# EAGLE board ControlModule-pan2 (EAGLE 7.2.0), part 4 of 9
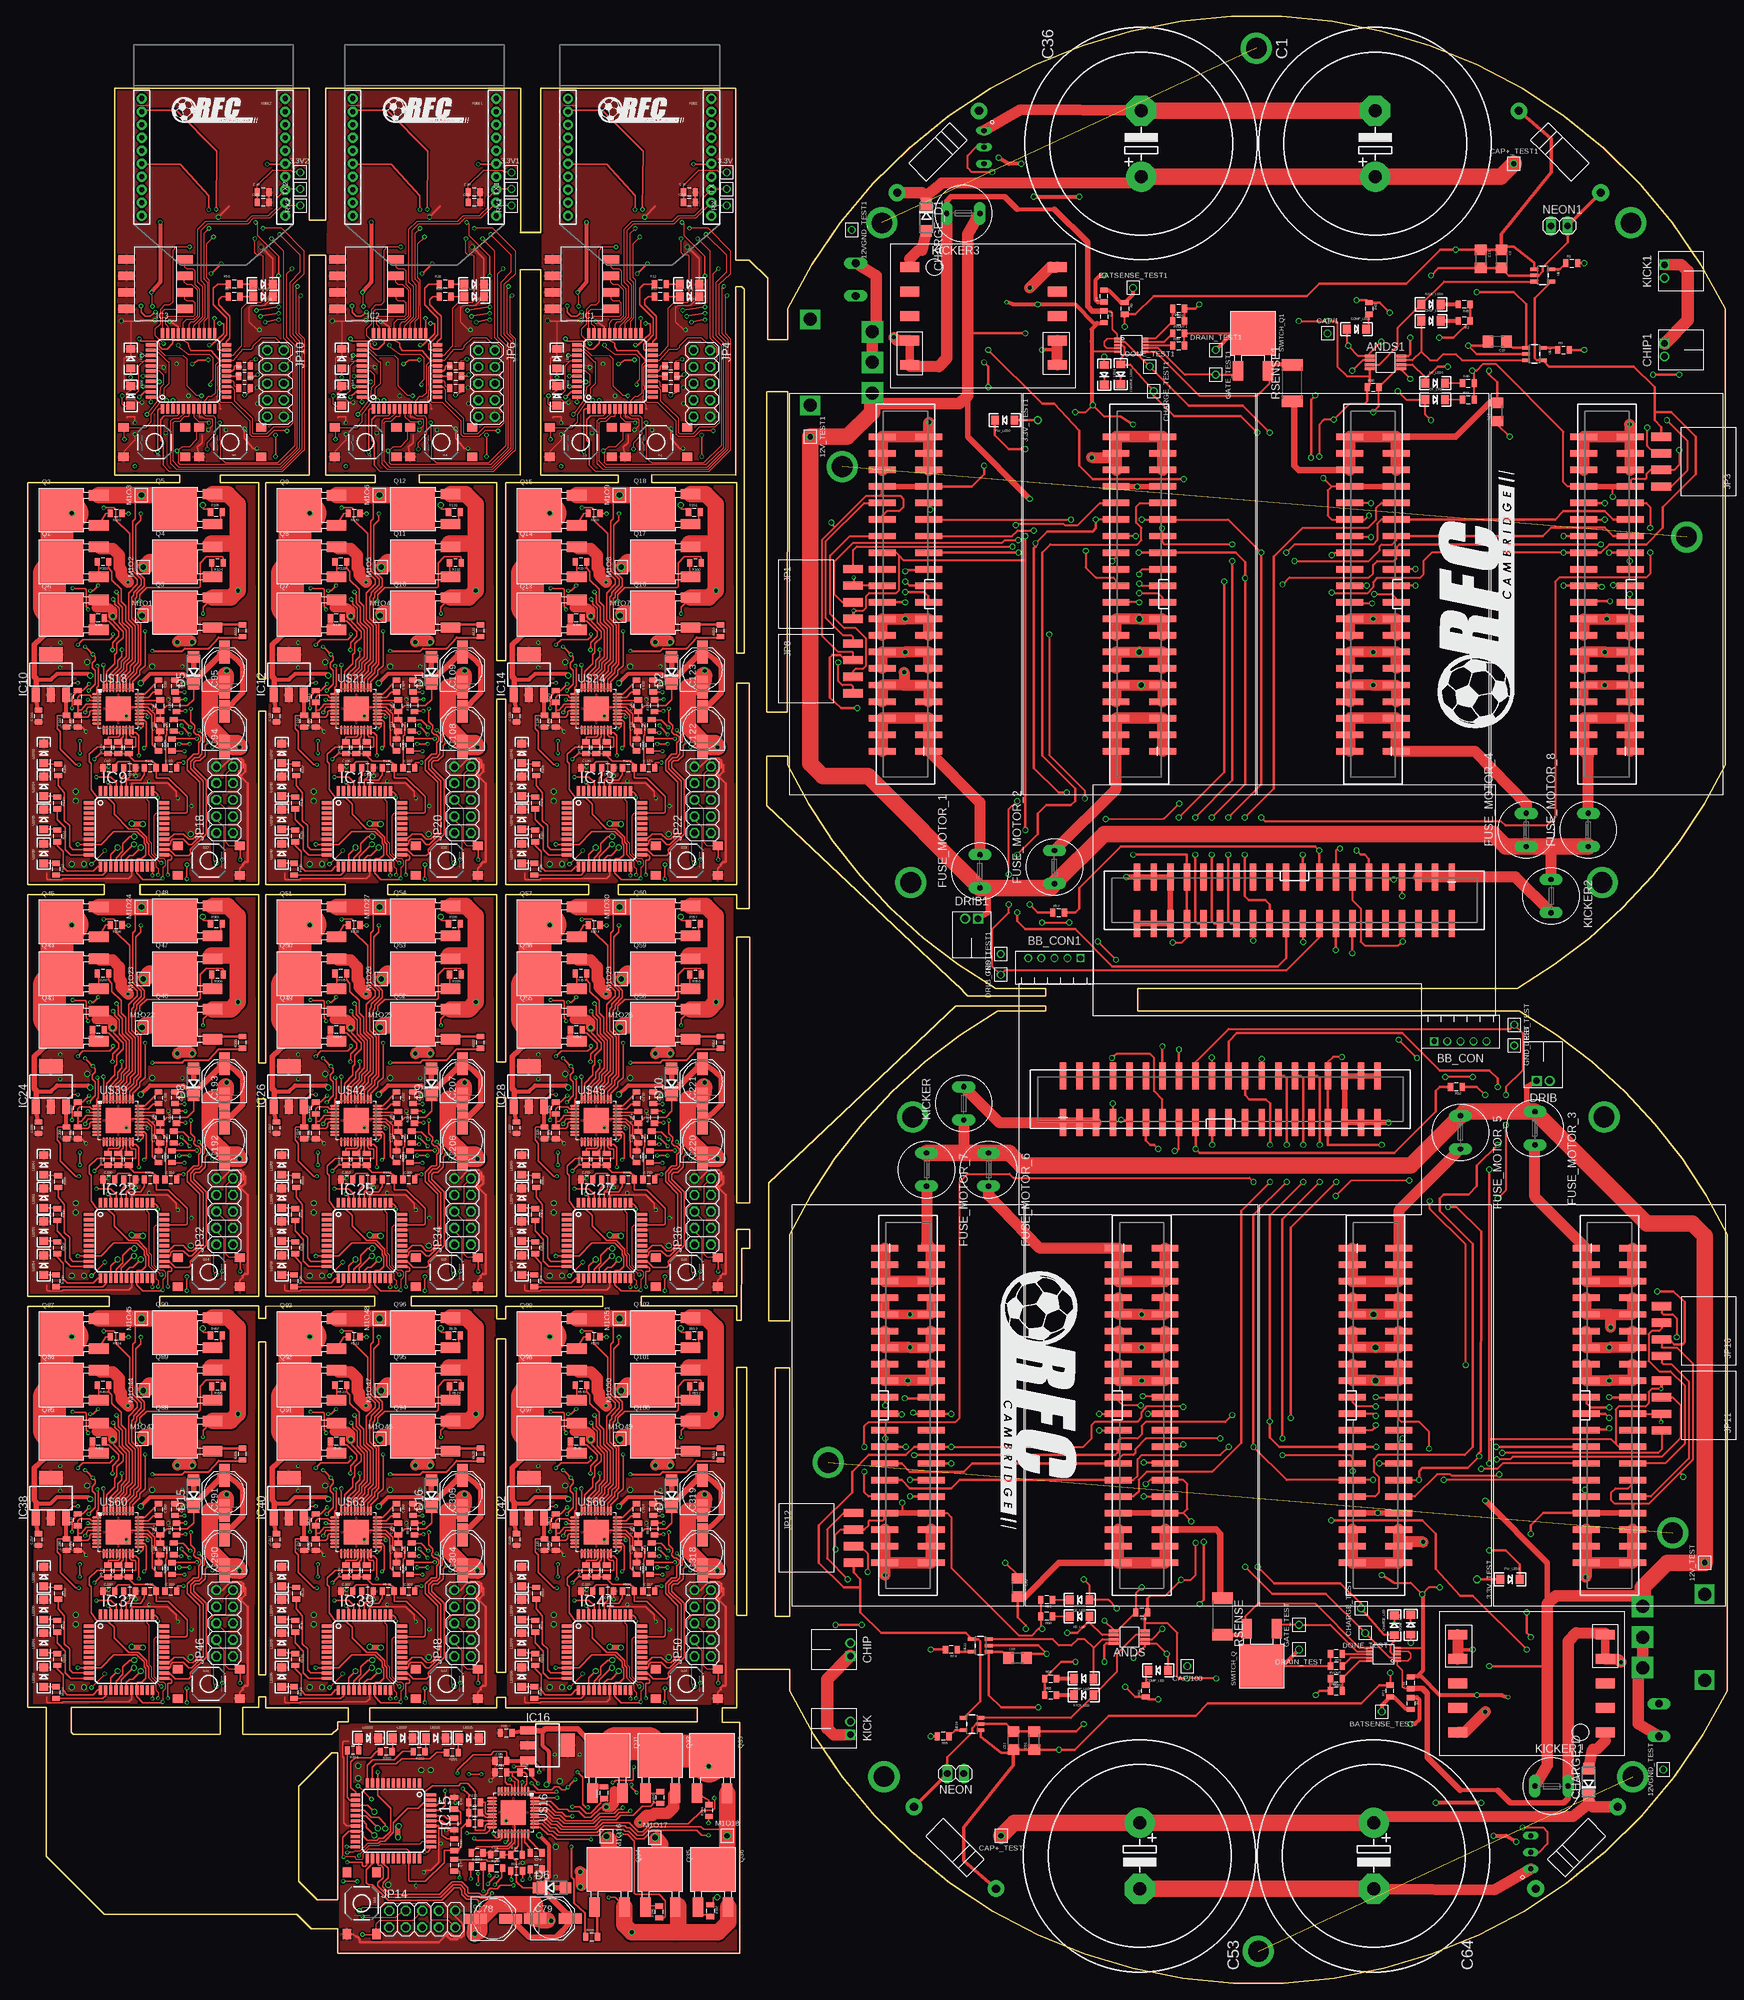
[diagram p0: board, top side]
## Tracks (layer width: path | path; a pad name or v marks a point on that pad's centre or on a via) (continued)
12VGND15  (via drill 0.3, 0.41, 0.6) (continued)
  Bottom 0.813: JP31.38 JP31.40 11.64,112.32 11.64,112.24 12.13,112.24 13.07,112.24 | v25.45,138.27 30.05,138.27 30.1,138.23 v30.5,138.23 | 20.21,112.08 20.37,112.24 JP31.39 20.89,111.64 20.89,111.17 | 13.2,115.52 13.15,115.52 JP31.38 | 13.2,113.06 13.29,113.06 13.29,112.32 | 20.21,114.7 v17.67,114.7 v17.66,114.7 | v15.94,114.81 13.26,114.67 JP31.38
  Bottom 2.54: 13.19,116.5 13.2,116.5 13.2,115.52 | 13.07,114.78 JP31.38 13.2,114.78 13.2,113.06 | 20.32,111.45 19.45,110.3 18.52,109.15 12.65,109.15 11.8,110 v11.8,110.65 11.8,111.91 12.13,112.24 | 18.87,117.26 18.15,117.26 17.7,117.26 | 18.15,117.32 JP31.36 | 20.89,111.17 20.91,111.16 32.38,111.16 33.69,112.44 33.69,125.28 v32.48,126.49 | v30.5,138.23 31.64,138.1 32.03,138.1 32.36,138.44 32.36,141.42 31.77,142.01 R320.1
12VGND16  (via drill 0.3, 0.41, 0.6)
  Top 0.178: v46.3,108.56 48.31,110.58 v48.31,110.65
  Top 0.254: C206.- 66.69,126.56 v64.82,126.53 | v60.37,124.15 59.42,124.15 59.42,123.4 C205.2
  Top 0.813: C206.- 67.81,126.5 67.99,126.53 68.63,127.16 | 66.41,135.58 C207.- | D9.A 61.93,138.3 v61.96,138.27 | v54.17,114.7 52.59,114.7 v52.46,114.81 | 66.91,137.59 67.01,137.69 v67.01,138.23 66.97,138.27 66.56,138.27
  Top 2.54: 67.99,126.53 68.1,126.53 v68.99,126.49 | 68.63,127.16 66.93,127.16 64.45,129.65 64.45,135.71 C207.- 66.66,136.6 66.88,136.83 66.88,137.47 66.91,137.5 66.91,137.53 66.91,137.54 66.91,137.59
  Bottom 0.152: 54.66,117.32 54.66,117.26 54.67,117.26
  Bottom 0.178: U$43.1 43.6,109.47 45.77,109.47 46.3,108.94 v46.3,108.56
  Bottom 0.254: v64.82,126.53 64.82,125.42 63.87,124.46 61.48,124.46 61.17,124.15 v60.37,124.15 | JP33.37 56.72,114.7 | JP33.39 56.8,111.48 56.83,111.45 | JP33.35 55.45,117.32 55.38,117.26
  Bottom 0.406: JP33.36 49.7,117.32 49.7,116.5
  Bottom 0.813: JP33.38 JP33.40 48.15,112.32 48.15,112.24 48.65,112.24 49.58,112.24 | v61.96,138.27 66.56,138.27 66.61,138.23 v67.01,138.23 | 56.72,112.08 56.88,112.24 JP33.39 57.4,111.64 57.4,111.17 | 49.71,115.52 49.66,115.52 JP33.38 | 49.71,113.06 49.8,113.06 49.8,112.32 | 56.72,114.7 v54.18,114.7 v54.17,114.7 | v52.46,114.81 49.77,114.67 JP33.38
  Bottom 2.54: 49.7,116.5 49.71,116.5 49.71,115.52 | 49.58,114.78 JP33.38 49.71,114.78 49.71,113.06 | 56.83,111.45 55.96,110.3 55.03,109.15 49.16,109.15 48.31,110 v48.31,110.65 48.31,111.91 48.65,112.24 | 55.38,117.26 54.67,117.26 54.21,117.26 | 54.66,117.32 JP33.36 | 57.4,111.17 57.43,111.16 68.9,111.16 70.2,112.44 70.2,125.28 v68.99,126.49 | v67.01,138.23 68.16,138.1 68.54,138.1 68.87,138.44 68.87,141.42 68.28,142.01 R348.1
12VGND17  (via drill 0.3, 0.41, 0.6)
  Top 0.178: v83.13,108.56 85.14,110.58 v85.14,110.65
  Top 0.254: C220.- 103.52,126.56 v101.65,126.53 | v97.2,124.15 96.25,124.15 96.25,123.4 C219.2
  Top 0.813: C220.- 104.64,126.5 104.82,126.53 105.46,127.16 | 103.24,135.58 C221.- | D10.A 98.76,138.3 v98.79,138.27 | v91,114.7 89.42,114.7 v89.29,114.81 | 103.74,137.59 103.84,137.69 v103.84,138.23 103.8,138.27 103.39,138.27
  Top 2.54: 104.82,126.53 104.93,126.53 v105.82,126.49 | 105.46,127.16 103.76,127.16 101.28,129.65 101.28,135.71 C221.- 103.49,136.6 103.71,136.83 103.71,137.47 103.74,137.5 103.74,137.53 103.74,137.54 103.74,137.59
  Bottom 0.152: 91.49,117.32 91.49,117.26 91.5,117.26
  Bottom 0.178: U$46.1 80.43,109.47 82.6,109.47 83.13,108.94 v83.13,108.56
  Bottom 0.254: v101.65,126.53 101.65,125.42 100.7,124.46 98.31,124.46 98,124.15 v97.2,124.15 | JP35.37 93.55,114.7 | JP35.39 93.63,111.48 93.66,111.45 | JP35.35 92.28,117.32 92.21,117.26
  Bottom 0.406: JP35.36 86.53,117.32 86.53,116.5
  Bottom 0.813: JP35.38 JP35.40 84.98,112.32 84.98,112.24 85.48,112.24 86.41,112.24 | v98.79,138.27 103.39,138.27 103.44,138.23 v103.84,138.23 | 93.55,112.08 93.71,112.24 JP35.39 94.23,111.64 94.23,111.17 | 86.54,115.52 86.49,115.52 JP35.38 | 86.54,113.06 86.63,113.06 86.63,112.32 | 93.55,114.7 v91.01,114.7 v91,114.7 | v89.29,114.81 86.6,114.67 JP35.38
  Bottom 2.54: 86.53,116.5 86.54,116.5 86.54,115.52 | 86.41,114.78 JP35.38 86.54,114.78 86.54,113.06 | 93.66,111.45 92.79,110.3 91.86,109.15 85.99,109.15 85.14,110 v85.14,110.65 85.14,111.91 85.48,112.24 | 92.21,117.26 91.5,117.26 91.04,117.26 | 91.49,117.32 JP35.36 | 94.23,111.17 94.26,111.16 105.73,111.16 107.03,112.44 107.03,125.28 v105.82,126.49 | v103.84,138.23 104.99,138.1 105.37,138.1 105.7,138.44 105.7,141.42 105.11,142.01 R376.1
12VGND22  (via drill 0.3, 0.41, 0.6)
  Top 0.178: v9.78,45.38 11.8,47.4 v11.8,47.47
  Top 0.254: C290.- 30.18,63.37 v28.31,63.34 | v23.86,60.96 22.91,60.96 22.91,60.22 C289.2
  Top 0.813: C290.- 31.29,63.32 31.48,63.34 32.12,63.98 | 29.89,72.39 C291.- | D15.A 25.42,75.12 v25.45,75.09 | v17.66,51.51 16.08,51.51 v15.94,51.63 | 30.4,74.41 30.5,74.51 v30.5,75.05 30.46,75.09 30.05,75.09
  Top 2.54: 31.48,63.34 31.59,63.34 v32.48,63.31 | 32.12,63.98 30.42,63.98 27.94,66.47 27.94,72.52 C291.- 30.14,73.42 30.37,73.64 30.37,74.29 30.4,74.32 30.4,74.35 30.4,74.36 30.4,74.41
  Bottom 0.152: 18.15,54.14 18.15,54.08 18.15,54.07
  Bottom 0.178: U$61.1 7.08,46.28 9.26,46.28 9.78,45.76 v9.78,45.38
  Bottom 0.254: v28.31,63.34 28.31,62.23 27.35,61.28 24.97,61.28 24.65,60.96 v23.86,60.96 | JP45.37 20.21,51.52 | JP45.39 20.29,48.3 20.32,48.27 | JP45.35 18.94,54.14 18.87,54.07
  Bottom 0.406: JP45.36 13.19,54.14 13.19,53.32
  Bottom 0.813: JP45.38 JP45.40 11.64,49.14 11.64,49.06 12.13,49.06 13.07,49.06 | v25.45,75.09 30.05,75.09 30.1,75.05 v30.5,75.05 | 20.21,48.9 20.37,49.06 JP45.39 20.89,48.46 20.89,47.98 | 13.2,52.34 13.15,52.34 JP45.38 | 13.2,49.88 13.29,49.88 13.29,49.13 | 20.21,51.52 v17.67,51.52 v17.66,51.51 | v15.94,51.63 13.26,51.49 JP45.38
  Bottom 2.54: 13.19,53.32 13.2,53.32 13.2,52.34 | 13.07,51.6 JP45.38 13.2,51.6 13.2,49.88 | 20.32,48.27 19.45,47.12 18.52,45.97 12.65,45.97 11.8,46.82 v11.8,47.47 11.8,48.73 12.13,49.06 | 18.87,54.07 18.15,54.07 17.7,54.07 | 18.15,54.14 JP45.36 | 20.89,47.98 20.91,47.97 32.38,47.97 33.69,49.26 33.69,62.1 v32.48,63.31 | v30.5,75.05 31.64,74.92 32.03,74.92 32.36,75.25 32.36,78.24 31.77,78.83 R516.1
12VGND23  (via drill 0.3, 0.41, 0.6)
  Top 0.178: v46.3,45.38 48.31,47.4 v48.31,47.47
  Top 0.254: C304.- 66.69,63.37 v64.82,63.34 | v60.37,60.96 59.42,60.96 59.42,60.22 C303.2
  Top 0.813: C304.- 67.81,63.32 67.99,63.34 68.63,63.98 | 66.41,72.39 C305.- | D16.A 61.93,75.12 v61.96,75.09 | v54.17,51.51 52.59,51.51 v52.46,51.63 | 66.91,74.41 67.01,74.51 v67.01,75.05 66.97,75.09 66.56,75.09
  Top 2.54: 67.99,63.34 68.1,63.34 v68.99,63.31 | 68.63,63.98 66.93,63.98 64.45,66.47 64.45,72.52 C305.- 66.66,73.42 66.88,73.64 66.88,74.29 66.91,74.32 66.91,74.35 66.91,74.36 66.91,74.41
  Bottom 0.152: 54.66,54.14 54.66,54.08 54.67,54.07
  Bottom 0.178: U$64.1 43.6,46.28 45.77,46.28 46.3,45.76 v46.3,45.38
  Bottom 0.254: v64.82,63.34 64.82,62.23 63.87,61.28 61.48,61.28 61.17,60.96 v60.37,60.96 | JP47.37 56.72,51.52 | JP47.39 56.8,48.3 56.83,48.27 | JP47.35 55.45,54.14 55.38,54.07
  Bottom 0.406: JP47.36 49.7,54.14 49.7,53.32
  Bottom 0.813: JP47.38 JP47.40 48.15,49.14 48.15,49.06 48.65,49.06 49.58,49.06 | v61.96,75.09 66.56,75.09 66.61,75.05 v67.01,75.05 | 56.72,48.9 56.88,49.06 JP47.39 57.4,48.46 57.4,47.98 | 49.71,52.34 49.66,52.34 JP47.38 | 49.71,49.88 49.8,49.88 49.8,49.13 | 56.72,51.52 v54.18,51.52 v54.17,51.51 | v52.46,51.63 49.77,51.49 JP47.38
  Bottom 2.54: 49.7,53.32 49.71,53.32 49.71,52.34 | 49.58,51.6 JP47.38 49.71,51.6 49.71,49.88 | 56.83,48.27 55.96,47.12 55.03,45.97 49.16,45.97 48.31,46.82 v48.31,47.47 48.31,48.73 48.65,49.06 | 55.38,54.07 54.67,54.07 54.21,54.07 | 54.66,54.14 JP47.36 | 57.4,47.98 57.43,47.97 68.9,47.97 70.2,49.26 70.2,62.1 v68.99,63.31 | v67.01,75.05 68.16,74.92 68.54,74.92 68.87,75.25 68.87,78.24 68.28,78.83 R544.1
12VGND24  (via drill 0.3, 0.41, 0.6)
  Top 0.178: v83.13,45.38 85.14,47.4 v85.14,47.47
  Top 0.254: C318.- 103.52,63.37 v101.65,63.34 | v97.2,60.96 96.25,60.96 96.25,60.22 C317.2
  Top 0.813: C318.- 104.64,63.32 104.82,63.34 105.46,63.98 | 103.24,72.39 C319.- | D17.A 98.76,75.12 v98.79,75.09 | v91,51.51 89.42,51.51 v89.29,51.63 | 103.74,74.41 103.84,74.51 v103.84,75.05 103.8,75.09 103.39,75.09
  Top 2.54: 104.82,63.34 104.93,63.34 v105.82,63.31 | 105.46,63.98 103.76,63.98 101.28,66.47 101.28,72.52 C319.- 103.49,73.42 103.71,73.64 103.71,74.29 103.74,74.32 103.74,74.35 103.74,74.36 103.74,74.41
  Bottom 0.152: 91.49,54.14 91.49,54.08 91.5,54.07
  Bottom 0.178: U$67.1 80.43,46.28 82.6,46.28 83.13,45.76 v83.13,45.38
  Bottom 0.254: v101.65,63.34 101.65,62.23 100.7,61.28 98.31,61.28 98,60.96 v97.2,60.96 | JP49.37 93.55,51.52 | JP49.39 93.63,48.3 93.66,48.27 | JP49.35 92.28,54.14 92.21,54.07
  Bottom 0.406: JP49.36 86.53,54.14 86.53,53.32
  Bottom 0.813: JP49.38 JP49.40 84.98,49.14 84.98,49.06 85.48,49.06 86.41,49.06 | v98.79,75.09 103.39,75.09 103.44,75.05 v103.84,75.05 | 93.55,48.9 93.71,49.06 JP49.39 94.23,48.46 94.23,47.98 | 86.54,52.34 86.49,52.34 JP49.38 | 86.54,49.88 86.63,49.88 86.63,49.13 | 93.55,51.52 v91.01,51.52 v91,51.51 | v89.29,51.63 86.6,51.49 JP49.38
  Bottom 2.54: 86.53,53.32 86.54,53.32 86.54,52.34 | 86.41,51.6 JP49.38 86.54,51.6 86.54,49.88 | 93.66,48.27 92.79,47.12 91.86,45.97 85.99,45.97 85.14,46.82 v85.14,47.47 85.14,48.73 85.48,49.06 | 92.21,54.07 91.5,54.07 91.04,54.07 | 91.49,54.14 JP49.36 | 94.23,47.98 94.26,47.97 105.73,47.97 107.03,49.26 107.03,62.1 v105.82,63.31 | v103.84,75.05 104.99,74.92 105.37,74.92 105.7,75.25 105.7,78.24 105.11,78.83 R572.1
AND_CHIP
  Top 0.305: CHIP_LED.A 163.52,51.43 | 163.52,51.43 164.87,52.78 ANDS.P$3 | 163.52,51.43 162.16,52.79 161.06,52.79 160.11,51.84 158.21,51.84 157.26,52.79 U$32.3
AND_CHIP1
  Top 0.305: CHIP_LED1.A 213.79,250.43 | 213.79,250.43 212.44,249.08 ANDS1.P$3 | 213.79,250.43 215.15,249.07 216.25,249.07 217.2,250.02 219.1,250.02 220.05,249.07 U$1.3
AND_KICK
  Top 0.305: ANDS.P$7 169.96,53.43 167.1,50.57 167.1,47.8 KICK_LED.A 160.02,40.72 U$34.3
AND_KICK1
  Top 0.305: ANDS1.P$7 207.35,248.43 210.21,251.29 210.21,254.06 KICK_LED1.A 217.29,261.14 U$7.3
AVCC  (via drill 0.41 pad 0.25)
  Top 0.152: 83.8,240.91 85.31,242.89 85.71,243.93 85.79,244.96 86.26,245.43 86.26,246.78 85.63,247.42 IC1.39
  Top 0.254: v83.68,240.75 83.8,240.91
  Bottom 0.254: R5.1 C18.2 82.72,240.7 v83.68,240.75
AVCC1  (via drill 0.41 pad 0.25)
  Top 0.152: 50.78,240.91 52.29,242.89 52.69,243.93 52.77,244.96 53.24,245.43 53.24,246.78 52.61,247.42 IC2.39
  Top 0.254: v50.66,240.75 50.78,240.91
  Bottom 0.254: R25.1 C29.2 49.7,240.7 v50.66,240.75
AVCC2  (via drill 0.41 pad 0.25)
  Top 0.152: 18.4,240.91 19.9,242.89 20.3,243.93 20.38,244.96 20.86,245.43 20.86,246.78 20.22,247.42 IC3.39
  Top 0.254: v18.28,240.75 18.4,240.91
  Bottom 0.254: R53.1 C46.2 17.31,240.7 v18.28,240.75
AVCC6
  Top 0.254: R200.1 64.39,22.18 63.54,22.7 63.54,24.93 | 63.54,24.93 IC15.39 | C76.2 65.87,26.73 66.4,26.2 66.4,24.45 64.02,24.45 63.54,24.93
AVCC8
  Top 0.254: R108.1 17.88,185.48 17.35,184.63 15.13,184.63 | 15.13,184.63 IC9.39 | C92.2 13.33,186.96 13.86,187.49 15.61,187.49 15.61,185.11 15.13,184.63
AVCC9
  Top 0.254: R136.1 54.39,185.48 53.86,184.63 51.64,184.63 | 51.64,184.63 IC11.39 | C106.2 49.84,186.96 50.37,187.49 52.12,187.49 52.12,185.11 51.64,184.63
AVCC10
  Top 0.254: R164.1 91.22,185.48 90.69,184.63 88.47,184.63 | 88.47,184.63 IC13.39 | C120.2 86.67,186.96 87.2,187.49 88.95,187.49 88.95,185.11 88.47,184.63
AVCC15
  Top 0.254: R304.1 17.88,122.29 17.35,121.45 15.13,121.45 | 15.13,121.45 IC23.39 | C190.2 13.33,123.78 13.86,124.3 15.61,124.3 15.61,121.92 15.13,121.45
AVCC16
  Top 0.254: R332.1 54.39,122.29 53.86,121.45 51.64,121.45 | 51.64,121.45 IC25.39 | C204.2 49.84,123.78 50.37,124.3 52.12,124.3 52.12,121.92 51.64,121.45
AVCC17
  Top 0.254: R360.1 91.22,122.29 90.69,121.45 88.47,121.45 | 88.47,121.45 IC27.39 | C218.2 86.67,123.78 87.2,124.3 88.95,124.3 88.95,121.92 88.47,121.45
AVCC22
  Top 0.254: R500.1 17.88,59.11 17.35,58.26 15.13,58.26 | 15.13,58.26 IC37.39 | C288.2 13.33,60.59 13.86,61.12 15.61,61.12 15.61,58.74 15.13,58.26
AVCC23
  Top 0.254: R528.1 54.39,59.11 53.86,58.26 51.64,58.26 | 51.64,58.26 IC39.39 | C302.2 49.84,60.59 50.37,61.12 52.12,61.12 52.12,58.74 51.64,58.26
AVCC24
  Top 0.254: R556.1 91.22,59.11 90.69,58.26 88.47,58.26 | 88.47,58.26 IC41.39 | C316.2 86.67,60.59 87.2,61.12 88.95,61.12 88.95,58.74 88.47,58.26
BAT+
  Top 1.778: BATT.1 247.11,39.81 | 247.11,39.81 247.11,39.77 | 247.11,39.81 247.11,49.04 ON/OFF.IN1 ON/OFF.COM
BAT+1
  Top 1.778: BATT1.1 130.2,262.05 | 130.2,262.05 130.2,262.09 | 130.2,262.05 130.2,252.82 ON/OFF1.IN1 ON/OFF1.COM
BATSENSE
  Top 0.305: 168.25,257.96 R6.1
  Top 0.61: R6.1 169.57,259.18 BATSENSE_TEST1.P$1 | R7.2 165.82,259.81 167.67,257.96 168.25,257.96
  Bottom 0.61: BATSENSE_TEST1.P$1 170.21,260.82 BATCLAMP1.C
BATSENSE1  (via drill 0.41 pad 0.25)
  Top 0.254: v85.63,245.77 85.63,245.82 IC1.41
  Bottom 0.254: R24.2 87.16,245.75 | R23.1 87.16,245.75 | 87.16,245.75 v85.63,245.77
BATSENSE2  (via drill 0.41 pad 0.25)
  Top 0.254: v52.61,245.77 52.61,245.82 IC2.41
  Bottom 0.254: R36.2 54.14,245.75 | R35.1 54.14,245.75 | 54.14,245.75 v52.61,245.77
BATSENSE3  (via drill 0.41 pad 0.25)
  Top 0.254: v20.22,245.77 20.22,245.82 IC3.41
  Bottom 0.254: R64.2 21.76,245.75 | R63.1 21.76,245.75 | 21.76,245.75 v20.22,245.77
BATSENSE4
  Top 0.305: 209.06,43.9 R71.1
  Top 0.61: R71.1 207.74,42.68 BATSENSE_TEST.P$1 | R72.2 211.49,42.05 209.64,43.9 209.06,43.9
  Bottom 0.61: BATSENSE_TEST.P$1 207.1,41.04 BATCLAMP2.C
BB_IN  (via drill 0.6)
  Top 0.305: v210.85,166.84 COM_BOARD1.7
  Bottom 0.305: BB_CON1.2 159.51,156.58 160.05,156.04 162.59,156.04 164.49,157.95 199.42,157.95 200.05,157.31 202.59,157.31 203.23,156.68 210.21,156.68 212.75,159.22 212.75,159.85 210.85,161.76 v210.85,166.84
BB_IN1  (via drill 0.41 pad 0.25)
  Top 0.254: IC1.40 v83.09,246.62
  Bottom 0.178: 83.4,247.58 83.4,249.12 84.3,250.01 84.3,253.66 83.44,254.52 83.44,260.48 83.52,260.55
  Bottom 0.254: v83.09,246.62 83.09,247.26 83.4,247.58 | 83.52,260.55 84.36,261.39 87.21,261.39 87.69,261.86 87.69,268.85 87.09,269.45 87.09,275.71 88.17,276.79 97.37,276.79 97.53,276.95 97.53,277.82 JP2.7
BB_IN2  (via drill 0.41 pad 0.25)
  Top 0.254: IC2.40 v50.07,246.62
  Bottom 0.178: 50.38,247.58 50.38,249.12 51.28,250.01 51.28,253.66 50.42,254.52 50.42,260.48 50.5,260.55
  Bottom 0.254: v50.07,246.62 50.07,247.26 50.38,247.58 | 50.5,260.55 51.34,261.39 54.19,261.39 54.67,261.86 54.67,268.85 54.07,269.45 54.07,275.71 55.15,276.79 64.35,276.79 64.51,276.95 64.51,277.82 JP5.7
BB_IN3  (via drill 0.41 pad 0.25)
  Top 0.254: IC3.40 v17.69,246.62 v17.68,246.62
  Bottom 0.178: 18,247.58 18,249.12 18.9,250.01 18.9,253.66 18.04,254.52 18.04,260.48 18.12,260.55
  Bottom 0.254: v17.68,246.62 17.68,247.26 18,247.58 | 18.12,260.55 18.95,261.39 21.81,261.39 22.29,261.86 22.29,268.85 21.68,269.45 21.68,275.71 22.76,276.79 31.97,276.79 32.13,276.95 32.13,277.82 JP9.7
BB_IN4  (via drill 0.6)
  Top 0.305: v166.46,135.02 COM_BOARD.7
  Bottom 0.305: BB_CON.2 217.8,145.28 217.26,145.82 214.72,145.82 212.82,143.91 177.89,143.91 177.26,144.55 174.72,144.55 174.08,145.18 167.1,145.18 164.56,142.64 164.56,142.01 166.46,140.1 v166.46,135.02
BB_OUT  (via drill 0.6)
  Top 0.305: v155.6,162.79 v159.81,162.79 | v164.18,159.85 v166.95,157.07 | v209.58,169.38 208.7,169.38 COM_BOARD1.9
  Bottom 0.305: R8.1 v155.6,162.79 | v159.81,162.79 161.24,162.79 v164.18,159.85 | v166.95,157.07 199.02,157.07 199.42,156.68 201.96,156.68 202.59,156.04 210.85,156.04 213.39,158.58 213.39,160.49 212.12,161.76 212.12,168.11 210.85,169.38 v209.58,169.38
BB_OUT1  (via drill 0.41 pad 0.25)
  Top 0.178: IC1.4 88.47,240.74 88.22,240.49 86.29,240.49 | 107.36,234.87 104.51,232.04 87.05,232.04 86.15,232.94 86.15,232.98 | 107.36,234.87 107.69,235.19 | 107.06,258.85 107.06,253.13 107.8,252.4 107.8,235.3 107.36,234.87
  Top 0.254: 107.06,258.85 v107.29,258.99 | 86.15,232.98 86.15,236.44 85.79,236.8 85.79,239.99 86.29,240.49
  Bottom 0.254: v107.29,258.99 107.53,259.32 107.53,266.94 103.72,270.75 103.72,279.96 103.41,280.28 101.66,280.28 100.71,279.33 100.71,276.31 99.76,275.36 JP2.9
BB_OUT2  (via drill 0.41 pad 0.25)
  Top 0.178: IC2.4 55.45,240.74 55.2,240.49 53.27,240.49 | 74.34,234.87 71.49,232.04 54.03,232.04 53.13,232.94 53.13,232.98 | 74.34,234.87 74.67,235.19 | 74.04,258.85 74.04,253.13 74.78,252.4 74.78,235.3 74.34,234.87
  Top 0.254: 74.04,258.85 v74.27,258.99 | 53.13,232.98 53.13,236.44 52.77,236.8 52.77,239.99 53.27,240.49
  Bottom 0.254: v74.27,258.99 74.51,259.32 74.51,266.94 70.7,270.75 70.7,279.96 70.39,280.28 68.64,280.28 67.69,279.33 67.69,276.31 66.74,275.36 JP5.9
BB_OUT3  (via drill 0.41 pad 0.25)
  Top 0.178: IC3.4 23.07,240.74 22.82,240.49 20.88,240.49 | 41.96,234.87 39.11,232.04 21.65,232.04 20.75,232.94 20.75,232.98 | 41.96,234.87 42.29,235.19 | 41.65,258.85 41.65,253.13 42.39,252.4 42.39,235.3 41.96,234.87
  Top 0.254: 41.65,258.85 v41.88,258.99 | 20.75,232.98 20.75,236.44 20.38,236.8 20.38,239.99 20.88,240.49
  Bottom 0.254: v41.88,258.99 42.13,259.32 42.13,266.94 38.32,270.75 38.32,279.96 38,280.28 36.26,280.28 35.3,279.33 35.3,276.31 34.35,275.36 JP9.9
BB_OUT4  (via drill 0.6)
  Top 0.305: v221.71,139.07 v217.5,139.07 | v213.13,142.01 v210.36,144.79 | v167.73,132.48 168.61,132.48 COM_BOARD.9
  Bottom 0.305: R73.1 v221.71,139.07 | v217.5,139.07 216.07,139.07 v213.13,142.01 | v210.36,144.79 178.29,144.79 177.89,145.18 175.35,145.18 174.72,145.82 166.46,145.82 163.92,143.28 163.92,141.37 165.19,140.1 165.19,133.75 166.46,132.48 v167.73,132.48
BID0
  Top 0.178: U$3.1 89.44,263.45 89.75,263.13 90.71,263.13 91.02,262.82 91.02,260.76 91.73,260.06 91.73,255.74 90.87,254.88 90.39,254.88 90.07,254.56 IC1.28
BID1
  Top 0.178: IC1.29 89.27,254.87 89.75,255.36 90.87,255.36 91.37,255.86 91.37,259.88 90.5,260.75 89.75,260.75 89.44,261.07 U$3.2
BID2
  Top 0.178: U$3.3 89.44,258.53 89.75,258.21 90.71,258.21 90.98,257.94 90.98,255.95 90.85,255.82 86.88,255.82 86.46,255.4 86.46,254.72 86.9,254.29 86.9,253.24
  Top 0.254: 86.9,253.24 IC1.32
BID3
  Top 0.178: IC1.33 86.07,256.59 86.42,256.94 U$3.4
BID4
  Top 0.178: U$5.1 56.42,263.45 56.73,263.13 57.69,263.13 58,262.82 58,260.76 58.71,260.06 58.71,255.74 57.85,254.88 57.37,254.88 57.05,254.56 IC2.28
BID5
  Top 0.178: U$5.3 56.42,258.53 56.73,258.21 57.69,258.21 57.96,257.94 57.96,255.95 57.83,255.82 53.86,255.82 53.44,255.4 53.44,254.72 53.88,254.29 53.88,253.24
  Top 0.254: 53.88,253.24 IC2.32
BID6
  Top 0.178: IC2.29 56.25,254.87 56.73,255.36 57.85,255.36 58.35,255.86 58.35,259.88 57.48,260.75 56.73,260.75 56.42,261.07 U$5.2
BID7
  Top 0.178: IC2.33 53.05,256.59 53.4,256.94 U$5.4
BID8
  Top 0.178: U$30.1 24.03,263.45 24.35,263.13 25.3,263.13 25.62,262.82 25.62,260.76 26.32,260.06 26.32,255.74 25.46,254.88 24.98,254.88 24.67,254.56 IC3.28
BID9
  Top 0.178: U$30.3 24.03,258.53 24.35,258.21 25.3,258.21 25.57,257.94 25.57,255.95 25.45,255.82 21.48,255.82 21.06,255.4 21.06,254.72 21.49,254.29 21.49,253.24
  Top 0.254: 21.49,253.24 IC3.32
BID10
  Top 0.178: IC3.29 23.87,254.87 24.35,255.36 25.46,255.36 25.96,255.86 25.96,259.88 25.09,260.75 24.35,260.75 24.03,261.07 U$30.2
BID11
  Top 0.178: IC3.33 20.67,256.59 21.02,256.94 U$30.4
BREN  (via drill 0.3)
  Top 0.254: v25.92,190.98 22.64,190.98 R107.2 | IC9.24 21.72,173.97 22.64,173.04 24.65,173.04 24.97,173.36 24.95,173.97 27.35,176.37 27.35,184.63 25.45,186.53 25.45,187.33 25.77,187.65 26.4,187.65 27.19,188.44 27.19,189.96 v27.72,190.49
  Bottom 0.254: v27.72,190.49 26.42,190.49 v25.92,190.98
BREN1  (via drill 0.3)
  Top 0.254: v62.44,190.98 59.16,190.98 R135.2 | IC11.24 58.23,173.97 59.16,173.04 61.17,173.04 61.48,173.36 61.46,173.97 63.87,176.37 63.87,184.63 61.96,186.53 61.96,187.33 62.28,187.65 62.91,187.65 63.71,188.44 63.71,189.96 v64.23,190.49
  Bottom 0.254: v64.23,190.49 62.93,190.49 v62.44,190.98
BREN2  (via drill 0.3)
  Top 0.254: v99.27,190.98 95.99,190.98 R163.2 | IC13.24 95.06,173.97 95.99,173.04 98,173.04 98.31,173.36 98.29,173.97 100.7,176.37 100.7,184.63 98.79,186.53 98.79,187.33 99.11,187.65 99.74,187.65 100.54,188.44 100.54,189.96 v101.06,190.49
  Bottom 0.254: v101.06,190.49 99.76,190.49 v99.27,190.98
BREN5  (via drill 0.3)
  Top 0.254: v69.89,14.13 69.89,17.41 R199.2 | IC15.24 52.88,18.34 51.95,17.41 51.95,15.4 52.27,15.08 52.88,15.11 55.29,12.7 63.54,12.7 65.45,14.61 66.24,14.61 66.56,14.29 66.56,13.66 67.35,12.86 68.87,12.86 v69.4,12.34
  Bottom 0.254: v69.4,12.34 69.4,13.64 v69.89,14.13
BREN7  (via drill 0.3)
  Top 0.254: v25.92,127.8 22.64,127.8 R303.2 | IC23.24 21.72,110.79 22.64,109.86 24.65,109.86 24.97,110.18 24.95,110.79 27.35,113.19 27.35,121.45 25.45,123.35 25.45,124.15 25.77,124.46 26.4,124.46 27.19,125.26 27.19,126.78 v27.72,127.3
  Bottom 0.254: v27.72,127.3 26.42,127.3 v25.92,127.8
BREN8  (via drill 0.3)
  Top 0.254: v62.44,127.8 59.16,127.8 R331.2 | IC25.24 58.23,110.79 59.16,109.86 61.17,109.86 61.48,110.18 61.46,110.79 63.87,113.19 63.87,121.45 61.96,123.35 61.96,124.15 62.28,124.46 62.91,124.46 63.71,125.26 63.71,126.78 v64.23,127.3
  Bottom 0.254: v64.23,127.3 62.93,127.3 v62.44,127.8
BREN9  (via drill 0.3)
  Top 0.254: v99.27,127.8 95.99,127.8 R359.2 | IC27.24 95.06,110.79 95.99,109.86 98,109.86 98.31,110.18 98.29,110.79 100.7,113.19 100.7,121.45 98.79,123.35 98.79,124.15 99.11,124.46 99.74,124.46 100.54,125.26 100.54,126.78 v101.06,127.3
  Bottom 0.254: v101.06,127.3 99.76,127.3 v99.27,127.8
BREN14  (via drill 0.3)
  Top 0.254: v25.92,64.61 22.64,64.61 R499.2 | IC37.24 21.72,47.6 22.64,46.68 24.65,46.68 24.97,46.99 24.95,47.6 27.35,50.01 27.35,58.26 25.45,60.17 25.45,60.96 25.77,61.28 26.4,61.28 27.19,62.07 27.19,63.59 v27.72,64.12
  Bottom 0.254: v27.72,64.12 26.42,64.12 v25.92,64.61
BREN15  (via drill 0.3)
  Top 0.254: v62.44,64.61 59.16,64.61 R527.2 | IC39.24 58.23,47.6 59.16,46.68 61.17,46.68 61.48,46.99 61.46,47.6 63.87,50.01 63.87,58.26 61.96,60.17 61.96,60.96 62.28,61.28 62.91,61.28 63.71,62.07 63.71,63.59 v64.23,64.12
  Bottom 0.254: v64.23,64.12 62.93,64.12 v62.44,64.61
BREN16  (via drill 0.3)
  Top 0.254: v99.27,64.61 95.99,64.61 R555.2 | IC41.24 95.06,47.6 95.99,46.68 98,46.68 98.31,46.99 98.29,47.6 100.7,50.01 100.7,58.26 98.79,60.17 98.79,60.96 99.11,61.28 99.74,61.28 100.54,62.07 100.54,63.59 v101.06,64.12
  Bottom 0.254: v101.06,64.12 99.76,64.12 v99.27,64.61
CAP+
  Top 0.406: 207.02,25.17 207.02,25.16 C64.+
  Top 1.676: C64.+ 206.56,24.63 | 207.1,25.17 207.02,25.17 207.44,25.58 237.11,25.58 239.49,27.56 | CHARGE_D.C 239.49,27.56 | 239.63,27.71 239.49,27.56
  Top 1.778: KICK.1 123.65,38.14 122.65,39.14 | U$47.+ 240.12,27.07 239.63,27.71
  Top 1.93: 122.65,39.14 122.65,46.66 CHIP.1
  Top 2.54: C64.+ C53.+ 151.32,24.63 CAP+_TEST.P$1
  Bottom 0.61: KICK_FLY.CATHODE 144.87,40.35 R77.2
  Bottom 0.813: C53.+ 170.59,33.48 R69.2
  Bottom 1.676: 146.27,56.41 CHIP_FLY.CATHODE
  Bottom 1.778: CHIP.1 128.36,48.03
  Bottom 2.54: 142.97,48.03 142.97,45.04 KICK_FLY.CATHODE 153.86,33.52 153.86,27.17 CAP+_TEST.P$1 | 142.97,48.03 142.97,53.11 146.27,56.41 | 128.36,48.03 142.97,48.03
CAP+1
  Top 0.406: 170.29,276.69 170.29,276.7 C36.+
  Top 1.676: C36.+ 170.75,277.23 | 170.21,276.69 170.29,276.69 169.88,276.28 140.2,276.28 137.82,274.3 | CHARGE_D1.C 137.82,274.3 | 137.68,274.15 137.82,274.3
  Top 1.778: KICK1.1 253.66,263.72 254.66,262.72 | U$11.+ 137.19,274.79 137.68,274.15
  Top 1.93: 254.66,262.72 254.66,255.2 CHIP1.1
  Top 2.54: C36.+ C1.+ 225.99,277.23 CAP+_TEST1.P$1
  Bottom 0.61: KICK_FLY1.CATHODE 232.44,261.52 R37.2
  Bottom 0.813: C1.+ 206.72,268.38 R14.2
  Bottom 1.676: 231.04,245.45 CHIP_FLY1.CATHODE
  Bottom 1.778: CHIP1.1 248.95,253.83
  Bottom 2.54: 234.34,253.83 234.34,256.82 KICK_FLY1.CATHODE 223.45,268.34 223.45,274.69 CAP+_TEST1.P$1 | 234.34,253.83 234.34,248.75 231.04,245.45 | 248.95,253.83 234.34,253.83